# Altium PCB YA-S-PCB-V1.0.PcbDoc (continued)
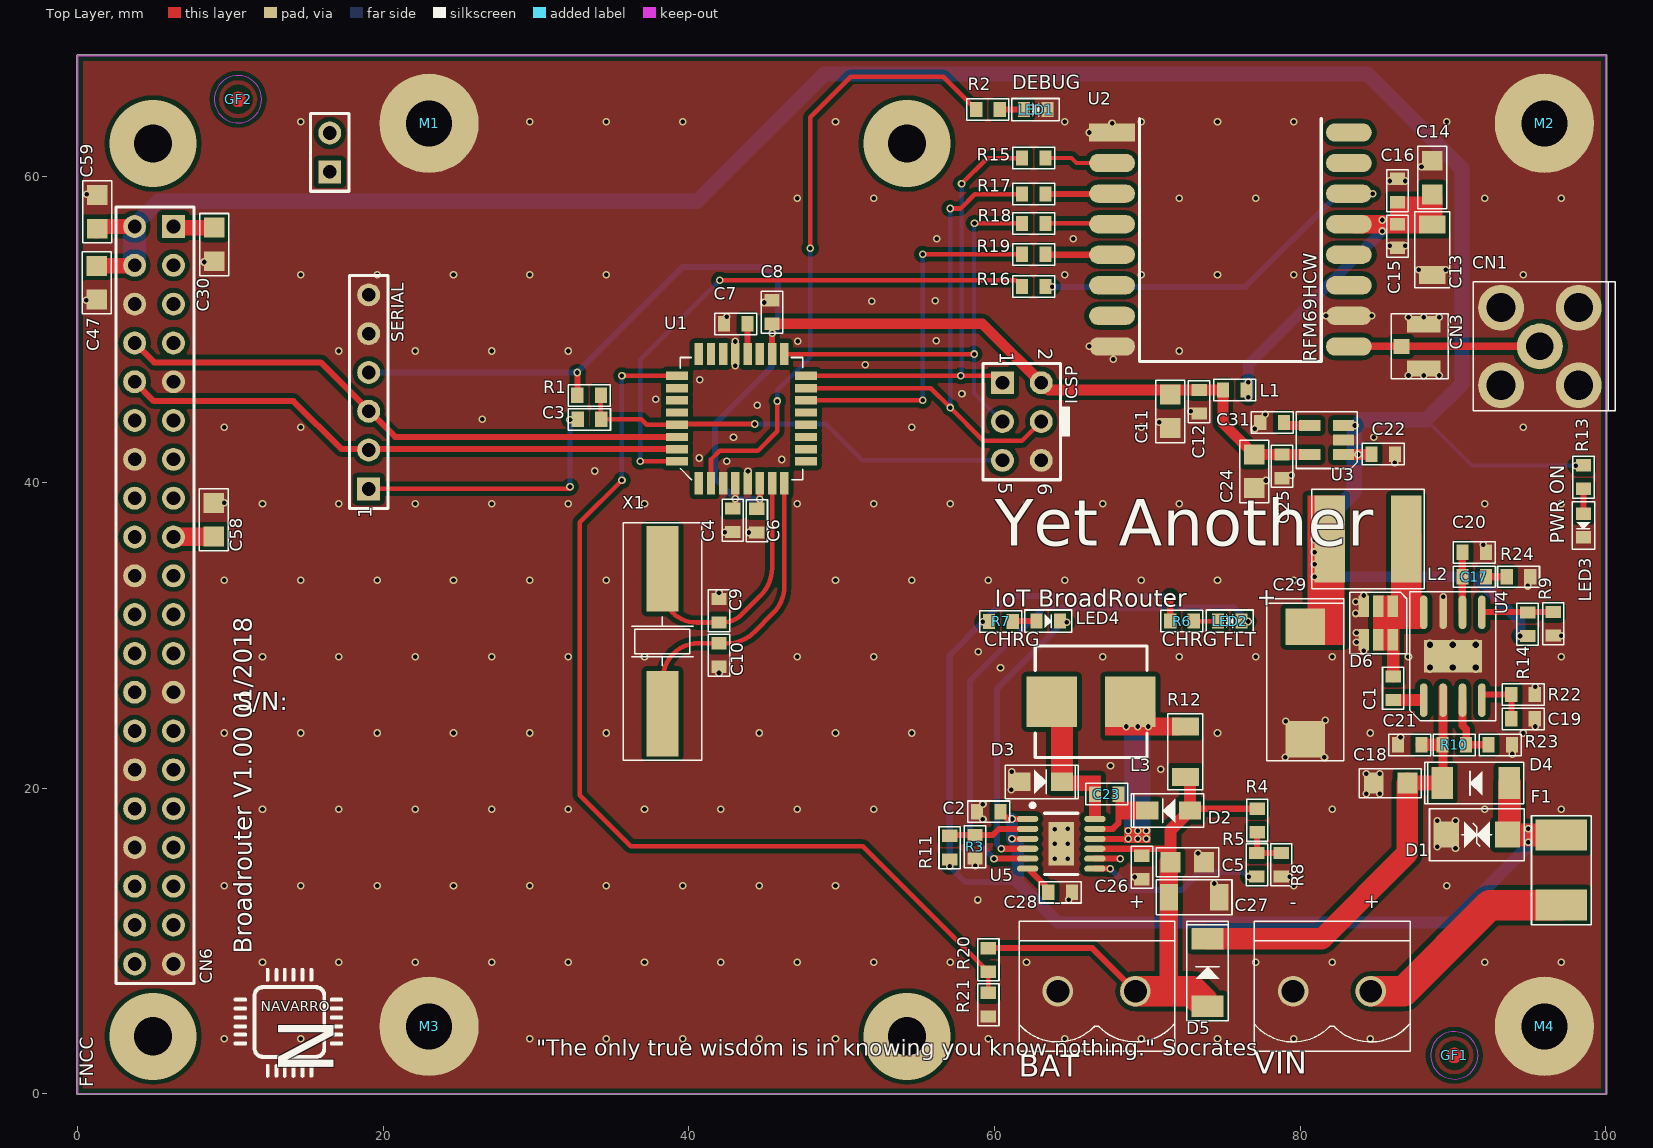
[diagram p0: Top Layer view]
## Part data (continued)
C17: library part "Cap 180pF 50V 0603 NP0", "Capacitor (Semiconductor SIM Model)", Supplier Part Number 1=1276-1255-1-ND, Tolerância=±5%, ChinesePrice=0,00360, Chinês=Local, ComponentLink1Description=Datasheet, ComponentLink1URL=D:\Tecnoclade\Datasheet\!DataMissing.pdf, Corrente=*A, Obs=NP0, Potência=*W, Supplier 1=Digi-Key, Tensão=50V
C19: library part "Cap 15nF 50V 0603 X7R", "Capacitor (Semiconductor SIM Model)", Supplier Part Number 1=445-5189-1-ND, Tolerância=±10%, ChinesePrice=0,00500, Chinês=Local, ComponentLink1Description=Datasheet, ComponentLink1URL=D:\Tecnoclade\Datasheet\!DataMissing.pdf, Corrente=*A, Obs=X7R, Potência=*W, Supplier 1=Digi-Key, Tensão=50V
C20: library part "Cap 10pF 50V 0603 NP0 5%", "Capacitor (Semiconductor SIM Model)", Supplier Part Number 1=445-1269-1-ND, Tolerância=±5%, ChinesePrice=0,00180, Chinês=Local, ComponentLink1Description=Datasheet, ComponentLink1URL=D:\Tecnoclade\Datasheet\!DataMissing.pdf, Corrente=*A, Obs=NP0, Potência=*W, Supplier 1=Digi-Key, Tensão=50V
C29: library part "PCap 220uF 6V3 2917 LOESR", "Polarized Capacitor", Supplier Part Number 1=1189-1687-1-ND, Tolerância=±20%, ChinesePrice=0,28500, Chinês=Local, ComponentLink1Description=Datasheet, ComponentLink1URL=D:\Tecnoclade\Datasheet\!DataMissing.pdf, Corrente="3.5A (Ripple)", Obs="LOESR (0R009)", Potência=*W, Supplier 1=Digi-Key, Tensão=6V3
C31: library part "Cap 10nF 50V 0603 X7R 5%", "Capacitor (Semiconductor SIM Model)", Supplier Part Number 1=399-1092-1-ND, Tolerância=±5%, ChinesePrice=0,00320, Chinês=Local, ComponentLink1Description=Datasheet, ComponentLink1URL=D:\Tecnoclade\Datasheet\!DataMissing.pdf, Corrente=*A, Obs=X7R, Potência=*W, Supplier 1=Digi-Key, Tensão=50V
CN1: "Conector SMA", Supplier Part Number 1=A97593-ND, ChinesePrice=0,00000, Chinês=----, ComponentLink1Description=Datasheet, ComponentLink1URL=D:\Tecnoclade\Datasheet\!DataMissing.pdf, Supplier 1=Digi-Key
CN3: library part "Conn UMCC TE", Supplier Part Number 1=A118077CT-ND, ChinesePrice=0,00000, Chinês=----, ComponentLink1Description=Datasheet, ComponentLink1URL=D:\Tecnoclade\Datasheet\!DataMissing.pdf, Supplier 1=Digi-Key
CN6: library part "RaspBerry Pi2", "Modulo RaspBerry Pi 2", Supplier Part Number 1=S6104-ND, ChinesePrice=0,00000, Chinês=----, ComponentLink1Description=Datasheet, ComponentLink1URL=D:\Tecnoclade\Datasheet\!DataMissing.pdf, Supplier 1=Digi-Key
CN7: library part "Conector Plug", Supplier Part Number 1=1690-1005-ND, ChinesePrice=35,00000, Chinês=Local, ComponentLink1Description=Datasheet, ComponentLink1URL=D:\Tecnoclade\Datasheet\!DataMissing.pdf, Supplier 1=Digi-Key
D1: library part "TVS 15V 5% SMA BI 400W", "Transient Voltage Supressor diode", Supplier Part Number 1=SMAJ15CABCT-ND, Tolerância=±5%, ChinesePrice=0,05900, Chinês=Local, ComponentLink1Description=Datasheet, ComponentLink1URL=D:\Tecnoclade\Datasheet\!DataMissing.pdf, Obs=Bidirecional, Potência=400W, Supplier 1=Digi-Key, Tensão=15V
D2 D3: library part "DS 20V 0.5A 385mV SOD-123", "Schottky Diode", Supplier Part Number 1=MBR0520L-TPMSCT-ND, ChinesePrice=0,00000, Chinês=----, ComponentLink1Description=Datasheet, ComponentLink1URL=D:\Tecnoclade\Datasheet\!DataMissing.pdf, Corrente=0.5A, Obs="Fast Recovery =< 500ns, > 200mA (Io)", Supplier 1=Digi-Key, Tensão=20V
D4 D5: library part "DS 30V 3A SOD-128", "Schottky Diode", Supplier Part Number 1=1727-5324-1-ND, ChinesePrice=0,16100, Chinês=Local, ComponentLink1Description=Datasheet, ComponentLink1URL=D:\Tecnoclade\Datasheet\!DataMissing.pdf, Corrente=3A, Obs="Fast Recovery =< 500ns, > 200mA (Io)", Supplier 1=Digi-Key, Tensão=30V
D6: "Power Shottky", Supplier Part Number 1=ZLLS2000CT-ND, ChinesePrice=0,33990, Chinês=Local, ComponentLink1Description=Datasheet, ComponentLink1URL=D:\Tecnoclade\Datasheet\!DataMissing.pdf, Corrente=2.2A, Supplier 1=Digi-Key, Tensão=40V
F1: library part "Res Varistor", "Varistor (Voltage-Sensitive Resistor)", Supplier Part Number 1=507-1501-1-ND, ChinesePrice=0,09500, Chinês=Local, ComponentLink1Description=Datasheet, ComponentLink1URL=D:\Tecnoclade\Datasheet\!DataMissing.pdf, Corrente=1.1A, Supplier 1=Digi-Key, Tensão=24V
GF1 GF2: "Guia Fiducial", Supplier Part Number 1=--Del, ChinesePrice=0,00000, Chinês=----, ComponentLink1Description=Datasheet, ComponentLink1URL=D:\Tecnoclade\Datasheet\, Supplier 1=Digi-Key
ICSP: "Header, 5-Pin, Dual row", Supplier Part Number 1=609-3724-ND, ChinesePrice=0,00000, Chinês=----, ComponentLink1Description=Datasheet, ComponentLink1URL=D:\Tecnoclade\Datasheet\!DataMissing.pdf, Obs="Barra dupla de 40 pinos - ATENÇÃO", Supplier 1=Digi-Key
L1: library part "Bd 1K@100MHz 0603 400mA", Supplier Part Number 1=445-1550-1-ND, Tolerância=±25%, ChinesePrice=0,00000, Chinês=-----, ComponentLink1Description=Datasheet, ComponentLink1URL=D:\Tecnoclade\Datasheet\!DataMissing.pdf, Corrente=400mA, Obs="Ferrite (0R5)", Substituição=27/06/2014, Supplier 1=Digi-Key
L2: library part "Ind 3uH 2424 3.6A", "Inductor", Supplier Part Number 1=587-2099-1-ND, Tolerância=±30%, ChinesePrice=0,00000, Chinês=----, ComponentLink1Description=Datasheet, ComponentLink1URL=D:\Tecnoclade\Datasheet\!DataMissing.pdf, Corrente=3.6A, Obs=(0R023)@100MHz, Supplier 1=Digi-Key
L3: library part "Ind 68uH 1.05A", "Inductor", Supplier Part Number 1=811-1181-1-ND, ChinesePrice=0,00000, Chinês=-----, ComponentLink1Description=Datasheet, ComponentLink1URL=http://www.murata-ps.com/data/magnetics/kmp_4600.pdf, Obs=Z=0R0251, Supplier 1=Digi-Key
LED1 LED3: library part "LED 0603 VD 2V 75mW", Supplier Part Number 1=160-1478-1-ND, ChinesePrice=0,02810, Chinês=Local, ComponentLink1Description=Datasheet, ComponentLink1URL=D:\Tecnoclade\Datasheet\!DataMissing.pdf, Corrente=20mA, Obs=35mcd@130º, Potência=75mW, Supplier 1=Digi-Key, Tensão=2V
LED2 LED4: Supplier Part Number 1=160-1479-1-ND, ChinesePrice=0,00000, Chinês=----, ComponentLink1Description=Datasheet, ComponentLink1URL=D:\Tecnoclade\Datasheet\!DataMissing.pdf, Supplier 1=Digi-Key
M1 M2 M3 M4: library part Parafuso, "Furo para parafuso", Supplier Part Number 1=--Del, ChinesePrice=0,00000, Chinês=----, ComponentLink1Description=Datasheet, ComponentLink1URL=D:\Tecnoclade\Datasheet\!DataMissing.pdf, Supplier 1=Digi-Key
R1 R6 R7: library part "Res 10K 1% 0603 1/10W", Supplier Part Number 1=P10.0KHCT-ND, Tolerância=±1%, ChinesePrice=0,00089, Chinês=Local, ComponentLink1Description=Datasheet, ComponentLink1URL=D:\Tecnoclade\Datasheet\!DataMissing.pdf, Corrente=*A, Potência=1/10W, Supplier 1=Digi-Key, Tensão=*V
R2 R13: library part "Res 1K 1% 0603 1/10W", Supplier Part Number 1=RMCF0603FT1K00CT-ND, Tolerância=±1%, ChinesePrice=0,00089, Chinês=Local, ComponentLink1Description=Datasheet, ComponentLink1URL=D:\Tecnoclade\Datasheet\!DataMissing.pdf, Corrente=*A, Potência=1/10W, Supplier 1=Digi-Key, Tensão=*V
R3 R4 R5 R8 R11 R20 R21: library part "Res - $Val $% $Footprint $Pot", Supplier Part Number 1=--Del, Tolerância=±*%, ChinesePrice=0,00000, Chinês=----, ComponentLink1Description=Datasheet, ComponentLink1URL=D:\Tecnoclade\Datasheet\!DataMissing.pdf, Corrente=*A, Potência=1/10W, Supplier 1=Digi-Key, Tensão=*V
R9: library part "Res 11K8 1% 0603 1/10W", Supplier Part Number 1=311-11.8KHRCT-ND, Tolerância=±1%, ChinesePrice=0,00089, Chinês=Local, ComponentLink1Description=Datasheet, ComponentLink1URL=D:\Tecnoclade\Datasheet\!DataMissing.pdf, Corrente=*A, Potência=1/10W, Supplier 1=Digi-Key, Tensão=*V
R10: library part "Res 150K 1% 0603 1/10W", Supplier Part Number 1=P150KHCT-ND, Tolerância=±1%, ChinesePrice=0,00089, Chinês=Local, ComponentLink1Description=Datasheet, ComponentLink1URL=D:\Tecnoclade\Datasheet\!DataMissing.pdf, Corrente=*A, Potência=1/10W, Supplier 1=Digi-Key, Tensão=*V
R12: library part "Res 0.22R 1% 1206 1/4W", Supplier Part Number 1=P.22RCT-ND, Tolerância=1%, ChinesePrice=0,00000, Chinês=----, ComponentLink1Description=Datasheet, ComponentLink1URL=http://industrial.panasonic.com/lecs/www-data/pdf/AOA0000/AOA0000CE3.pdf, Corrente=*A, Potência=1/4W, Supplier 1=Digi-Key, Tensão=*V
R14: library part "Res 62K 1% 0603 1/10W", Supplier Part Number 1=311-62.0KHRCT-ND, Tolerância=±1%, ChinesePrice=0,00089, Chinês=Local, ComponentLink1Description=Datasheet, ComponentLink1URL=D:\Tecnoclade\Datasheet\!DataMissing.pdf, Corrente=*A, Potência=1/10W, Supplier 1=Digi-Key, Tensão=*V
R15 R16 R17 R18 R19: library part "Res 560R 1% 0603 1/10w", Supplier Part Number 1=311-560HRCT-ND, Tolerância=±*%, ChinesePrice=0,00000, Chinês=----, ComponentLink1Description=Datasheet, ComponentLink1URL=D:\Tecnoclade\Datasheet\!DataMissing.pdf, Corrente=*A, Potência=1/10W, Supplier 1=Digi-Key, Tensão=*V
R22: library part "Res 1M 1% 0603 1/10W", Supplier Part Number 1=RMCF0603FT1M00CT-ND, Tolerância=±1%, ChinesePrice=0,00089, Chinês=Local, ComponentLink1Description=Datasheet, ComponentLink1URL=D:\Tecnoclade\Datasheet\!DataMissing.pdf, Corrente=*A, Obs=±100ppm/ºC, Potência=1/10W, Supplier 1=Digi-Key, Tensão=*V
R23: library part "Res 48K7 1% 0603 1/10W", Supplier Part Number 1=P48.7KHCT-ND, Tolerância=±1%, ChinesePrice=0,00089, Chinês=Local, ComponentLink1Description=Datasheet, ComponentLink1URL=D:\Tecnoclade\Datasheet\!DataMissing.pdf, Corrente=*A, Potência=1/10W, Supplier 1=Digi-Key, Tensão=*V
R24: library part "Res 75K 1% 0603 1/10W", Supplier Part Number 1=P75.0KHCT-ND, Tolerância=±1%, ChinesePrice=0,00100, Chinês=Local, ComponentLink1Description=Datasheet, ComponentLink1URL=D:\Tecnoclade\Datasheet\!DataMissing.pdf, Corrente=*A, Obs=±100ppm/ºC, Potência=1/10W, Supplier 1=Digi-Key, Tensão=*V
SERIAL: "Header, 6-Pin", Supplier Part Number 1=A26509-40-ND, ChinesePrice=0,10000, Chinês="Proved - Local", ComponentLink1Description=Datasheet, ComponentLink1URL=D:\Tecnoclade\Datasheet\!DataMissing.pdf, Supplier 1=Digi-Key
U1: "IC MCU 32KB FLASH 20MHZ 32TQFP", Supplier Part Number 1=ATMEGA328P-AN-ND, ChinesePrice=0,00000, Chinês=----, ComponentLink1Description=Datasheet, ComponentLink1URL=D:\Tecnoclade\Datasheet\, Supplier 1=Digi-Key
U2: "Memória", Supplier Part Number 1=--Del, ChinesePrice=4,34, Chinês=Local, ComponentLink1Description=Datasheet, ComponentLink1URL=D:\Tecnoclade\Datasheet\!DataMissing.pdf, Supplier 1=Digi-Key
U3: library part TPS79333, "ULTRALOW-NOISE, HIGH PSRR, FAST RF 200mA LOW-DROPOUT LINEAR  REGULATORS I", Supplier Part Number 1=296-12961-1-ND, ChinesePrice=0,00000, Chinês=----, ComponentLink1Description=Datasheet, ComponentLink1URL=D:\Tecnoclade\Datasheet\, Corrente=200mA, Supplier 1=Digi-Key, Tensão=3V3
U4: "DC/DC Converter Step-Down 3.5A 28V", Supplier Part Number 1=296-24141-5-ND, ChinesePrice=0,87200, Chinês=TI, ComponentLink1Description=Datasheet, ComponentLink1URL=D:\Tecnoclade\Datasheet\!DataMissing.pdf, Corrente=3.5A, Supplier 1=Digi-Key
U5: "Power Tracking 2A Battery  Charger for Solar Power", Supplier Part Number 1=LT3652EMSE#PBF-ND, ChinesePrice=0,00000, Chinês=----, ComponentLink1Description=Datasheet, ComponentLink1URL=http://www.linear.com/docs/28522, Supplier 1=Digi-Key
X1: library part XTAL, "Crystal Oscillator", Supplier Part Number 1=535-10226-1-ND, ChinesePrice=0,00000, Chinês=----, Supplier 1=Digi-Key

## Via types
v1: diameter 0.5, hole 0.3, Top Layer to Bottom Layer, tented both sides, 298 vias
v2: diameter 0.5, hole 0.3, Top Layer to Bottom Layer, 6 vias
v3: diameter 0.7, hole 0.4, Top Layer to Bottom Layer, tented both sides, 5 vias
v4: diameter 5.7, hole 2.5, Top Layer to Bottom Layer, tented both sides, 4 vias

## Nets (pads, with @x,y where several pads share a name; then routed paths per layer and width w, separated by ;. In a path a pad name is that pad's centre, name@x,y a point inside that pad or via, vN(x,y) a via of type N, cw(c..) or ccw(c..) an arc to the next point about the centre after c; other vN are vias at no path point)
3V3: C4.2 C6.2 C8.2 C11.2 C12.2 C24.2 C25.2 ICSP.2 L1.1 R1.2 SERIAL.4 U1.4 U1.6 U1.18 U3.5 | length 94.7
  Top Layer w0.4: R1.2 v1(32.705,47.195) ; C4.2@43.05,38.47 U1.4 ; C6.2@44.65,38.32 U1.6 ; U1.18 C8.2
  Top Layer w0.7: C8.2 59.21,50.38 63.54,46.05 L1.1 74.955,43.87 C24.2 U3.5
  Bottom Layer w0.4: SERIAL.4 32.695,47.195 39.6,54.1 44.925,54.1 45.825,53.2 45.825,50.15 v1(45.45,49.775) 45.45,47.575 41.725,43.85 41.725,40.25 v1(43.05,38.925) v1@44.65,38.925
  other v1: 44.65,38.9
3V3RF: C13.2 C14.2 C15.2 C16.2 L1.2 U2.13 | length 15.1
  Bottom Layer w0.7: v1@76.625,45.65 76.625,47.7 v1(85.375,56.45) v1(85.375,57.175)
  other v1: 76.625,45.575 76.625,46.55
3V3RP: C30.2 C58.2 CN6.1 CN6.17 | length 5.2
  Top Layer w1: CN6.1@6.347,56.675 C30.2
  Top Layer w1.2: CN6.17 6.294,36.45 C58.2
5V: C22.2 C29.1 C47.2 C59.2 CN6.2 CN6.4 L2.2 R13.2 R14.2 U3.1 U3.3 | length 162.4
  Top Layer w0.7: U3.1 C22.2@84.655,41.825
  Top Layer w1: C47.2 CN6.4@3.699,54.175 ; C59.2@1.25,56.475 1.524,56.749 CN6.2@3.185,56.749
  Bottom Layer w0.254: 88.252,44.102 91.254,41.1 v1(98.05,41.1)
  Bottom Layer w0.7: v1(80.95,33.825) 91.45,33.825 94.4,30.875 v1(94.4,29.95)
  Bottom Layer w1: CN6.2 3.733,56.84 5.293,58.4 40.55,58.4 48.875,66.725 84.4,66.725 90.6,60.525 90.6,46.45 88.252,44.102 84.077,44.102 83.556,43.581 83.556,39.406 81.208,37.058 v1(80.95,37.058) v1(80.95,36.25) v1(80.95,35.442) v1(80.95,34.633) v1(80.95,33.825)
  Bottom Layer w1.5: CN6.4 CN6.2
  other v1: 83.8,41.825 83.6,43.725
/CHRG: LED4.2 U5.4 | length 18.7
  Top Layer w0.4: v1(60.45,16.025) U5.4
  Bottom Layer w0.4: v1(60.45,16.025) 60.175,16.3 60.175,26.525 64.5,30.85 v1@64.75,30.85
  other v1: 64.725,30.85
/FAULT: LED2.2 U5.5 | length 35
  Top Layer w0.4: v1(59.975,15.375) U5.5
  Bottom Layer w0.4: v1(59.975,15.375) 58.4,16.95 58.4,26.975 63.225,31.8 75.7,31.8 v1(76.6,30.9)
CS: R19.1 U1.14 | length 23.7
  Top Layer w0.3: U1.14 v1(55.3,45.375) ; v1(55.3,54.925) R19.1
  Bottom Layer w0.3: v1(55.3,45.375) v1(55.3,54.925)
CS2: U1.13
DIO0: R16.2 U1.32 | length 36.3
  Top Layer w0.3: v1(36.825,41.375) U1.32 ; v1(42.025,53.225) 61.405,53.225 R16.2
  Bottom Layer w0.3: v1(36.825,41.375) 36.825,48.025 v1(42.025,53.225)
DONE: U1.12
GND: BAT.1 C2.1 C4.1 C5.1 C6.1 C7.1 C8.1 C9.1 C10.1 C11.1 C12.1 C13.1 C14.1 C15.1 C16.1 C18.1 C19.1 C20.1 C21.1 C22.1 C24.1 C25.1 C26.1 C27.1 C28.1 C29.2 C30.1 C31.1 C47.1 C58.1 C59.1 CN1.2 CN1.3 CN1.4 CN1.5 CN3.2 CN6.6 CN6.9 CN6.14 CN6.20 CN6.25 CN6.30 CN6.34 CN6.39 D1.1 D3.1 D6.3 D6.4 ICSP.6 LED1.2 LED3.2 M1.X M2.X M3.X M4.X R3.1 R8.1 R9.1 R21.1 R22.1 R23.1 R24.1 SERIAL.5 SERIAL.6 U1.3 U1.5 U1.21 U2.1 U2.8 U2.10 U3.2 U4.7 U4.9 U5.13 VIN.1
  other v1: 9.6,3.6 14.6,3.6 29.6,3.6 34.6,3.6 39.6,3.6 44.6,3.6 49.6,3.6 59.6,3.6 64.6,3.6 69.6,3.6 74.6,3.6 79.6,3.6 84.6,3.6 12.1,8.6 17.1,8.6 22.1,8.6 27.1,8.6 32.1,8.6 37.1,8.6 42.1,8.6 47.1,8.6 52.1,8.6 57.1,8.6 62.1,8.6 77.1,8.6 82.1,8.6 92.1,8.6 97.1,8.6 58.9,12.675 64.875,12.7 9.6,13.6 14.6,13.6 19.6,13.6 24.6,13.6 29.6,13.6 34.6,13.6 39.6,13.6 44.6,13.6 49.6,13.6 79.6,13.6 89.6,13.6 74.375,13.75 69.175,14.175 79.325,14.2 58.75,14.925 73.325,15.725 90.175,16.05 88.975,16.15 88.975,17.85 90.175,17.85 59.25,17.95 12.1,18.6 17.1,18.6 22.1,18.6 27.1,18.6 32.1,18.6 37.1,18.6 42.1,18.6 47.1,18.6 52.1,18.6 82.1,18.6 92.1,18.6 97.1,18.6 59.25,18.95 84.325,19.625 85.225,19.625 61.1,19.875 84.325,20.925 85.225,20.925 61.125,21.075 70.875,21.225 67.6,21.45 79.025,22.025 81.6,22 93.9,22.225 86.575,23.325 9.6,23.6 14.6,23.6 19.6,23.6 24.6,23.6 29.6,23.6 34.6,23.6 44.6,23.6 49.6,23.6 54.6,23.6 74.6,23.6 84.6,23.6 94.6,23.6 95.4,24.025 79.075,24.375 81.65,24.425 95.4,26.625 41.975,27.525 60.4,27.875 12.1,28.6 17.1,28.6 22.1,28.6 27.1,28.6 32.1,28.6 37.1,28.6 47.1,28.6 52.1,28.6 67.1,28.6 72.1,28.6 77.1,28.6 82.1,28.6 87.1,28.6 97.1,28.6 58.95,28.925 84.175,28.975 83.7,29.55 97.1,29.975 83.7,30.15 83.65,31.425 83.65,32.2 89.375,32.525 84.175,32.6 41.975,32.775 94.9,33.225 9.6,33.6 14.6,33.6 19.6,33.6 24.6,33.6 29.6,33.6 34.6,33.6 49.6,33.6 54.6,33.6 59.6,33.6 64.6,33.6 69.6,33.6 74.6,33.6 79.6,33.6 92,35.925 43.925,36.725 42.35,36.75 12.1,38.6 17.1,38.6 22.1,38.6 27.1,38.6 32.1,38.6 37.1,38.6 47.1,38.6 52.1,38.6 57.1,38.6 62.1,38.6 67.1,38.6 72.1,38.6 92.1,38.6 97.1,38.6 9.6,38.675 77.775,40.125 79.425,40.475 43.875,40.725 33.85,40.75 86.2,41.3 42.475,41.375 46.075,41.5 40.675,41.6 42.925,42.95 84.825,42.95 77.025,43.5 9.6,43.6 14.6,43.6 54.6,43.6 64.6,43.6 69.6,43.6 94.6,43.6 70.8,43.95 26.475,44.125 77.725,44.45 72.85,44.65 44.475,45.05 37.825,45.45 57.875,45.8 40.725,46.725 87.1,47 88.1,47 89.1,47 43.05,47.625 51.55,47.7 67.775,48.05 17.1,48.6 22.1,48.6 27.1,48.6 32.1,48.6 72.1,48.6 66.2,48.9 43.05,49.225 47.125,49.25 56.2,49.275 87.1,50.8 88.1,50.8 89.1,50.8 42.475,50.85 81.7,50.9 84.7,50.9 44.925,51.775 51.975,51.85 56.125,51.9 0.575,51.925 14.6,53.6 19.6,53.6 24.6,53.6 29.6,53.6 34.6,53.6 64.6,53.6 69.6,53.6 74.6,53.6 79.6,53.6 94.6,53.6 87.775,53.925 89.525,53.925 8.275,54.425 85.875,55.5 86.875,55.5 56.225,55.95 65.15,55.95 47.1,58.6 52.1,58.6 72.1,58.6 77.1,58.6 92.1,58.6 97.1,58.6 0.6,58.85 85.875,59.725 86.875,59.725 87.95,60.65 66.2,62.9 67.7,63.5 14.6,63.6 29.6,63.6 34.6,63.6 39.6,63.6 49.6,63.6 64.6,63.6 69.6,63.6 74.6,63.6 79.6,63.6 89.6,63.6
  other v2: 63.958,15.375 64.811,15.375 63.958,16.35 64.811,16.35 63.958,17.313 64.811,17.33
  other v3: 88.5,27.875 91.5,27.875 88.5,29.375 90,29.375 91.5,29.375
LED: R2.2 U1.2 | length 41
  Top Layer w0.3: U1.2 41.45,41.5 42.025,42.075 44.525,42.075 45.8,43.35 v1(45.8,45.325) ; v1(47.95,55.325) 47.95,63.9 50.6,66.55 56.655,66.55 R2.2
  Bottom Layer w0.3: v1(45.8,45.325) 45.8,46.025 47.95,48.175 v1(47.95,55.325)
MISO: ICSP.1 R15.1 U1.16 | length 30.3
  Top Layer w0.3: U1.16 v1@57.825,46.975 ; v1(57.8,46.975) 60.075,46.975 ICSP.1 ; v1(57.85,59.55) 59.525,61.225 R15.1
  Bottom Layer w0.3: v1(57.8,46.975) 57.85,47.025 v1(57.85,59.55)
MOSI: ICSP.4 R17.1 U1.15 | length 35.5
  Top Layer w0.3: U1.15 55.825,46.175 v1(57.1,44.9) 59.275,42.725 61.805,42.725 ICSP.4 ; v1(57.1,57.925) 57.8,57.925 58.725,58.85 61.78,58.85 R17.1
  Bottom Layer w0.3: v1(57.1,44.9) v1(57.1,57.925)
NetC1_1: C1.1 D6.1 D6.2 D6.5 D6.6 L2.1 U4.8 | length 4.9
  Top Layer w0.8: C1.1 D6.1@86.1,32.175
NetC1_2: C1.2 U4.1 | length 1.8
  Top Layer w0.8: C1.2 U4.1@87.9,25.755
NetC3_1: C3.1 SERIAL.1 | length 17.7
  Top Layer w0.3: SERIAL.1 v1@32.225,39.575
  Bottom Layer w0.3: v1@32.225,39.575 v1(32.225,44.1)
  other v1: 32.225,39.725
NetC7_2: C7.2 U1.20 | length 1.8
  Top Layer w0.4: U1.20@43.845,48.405 C7.2@43.845,50.225
NetC17_1: C17.1 R24.2 | length 1.4
  Top Layer w0.5: C17.1 R24.2
NetC17_2: C17.2 C20.2 U4.6 | length 3.9
  Top Layer w0.5: U4.6@90.63,31.505 C17.2 C20.2
NetC18_2: C18.2 C21.2 D4.2 D5.2 R10.2 U4.2 | length 29.9
  Top Layer w0.5: D4.2 D4.2@89.365,20.39
  Top Layer w0.6: D4.2@89.365,20.39 U4.2@89.365,26.55
  Top Layer w0.8: C21.2 R10.2
  Top Layer w1: C18.2 D4.2
  Top Layer w1.4: D5.2 81.425,10.125 87.025,15.725 C18.2
NetC19_2: C19.2 R22.2 U4.4 | length 3.9
  Top Layer w0.4: U4.4 91.905,26.125 R22.2 C19.2
NetC23_1: C23.1 D2.2 U5.11 | length 3.6
  Top Layer w0.4: U5.11 67.75,17.325 68.12,17.695 C23.1
NetC23_2: C23.2 D3.2 L3.1 U5.12
NetC28_2: C28.2 U5.6 | length 1.9
  Top Layer w0.4: U5.6@62.325,14.605 C28.2@63.68,13.25
NetC31_2: C31.2 U3.4 | length 1.7
  Top Layer w0.6: C31.2@78.92,43.725 U3.4
NetCN1_1: CN1.1 CN3.1 U2.9 | length 12.7
  Top Layer w0.5: U2.9 CN1.1@95.9,48.9
NetF1_2: F1.2 VIN.2 | length 14.8
  Top Layer w2: VIN.2 86.786,6.7 92.425,12.339 F1.2
NetL3_2: L3.2 R12.1 U5.10 | length 3.4
  Top Layer w0.4: U5.10 v1(69.95,16.675)
  other v1: 68.75,16.675 69.375,16.675 68.75,17.2 69.375,17.2 69.95,17.2 68.625,24.025 69.375,24.025 70.075,24.025
NetLED1_1: LED1.1 R2.1 | length 1.6
  Top Layer w0.4: R2.1 LED1.1
NetLED2_1: LED2.1 R6.1 | length 1.6
  Top Layer w0.3: R6.1 LED2.1
NetLED3_1: LED3.1 R13.1 | length 1.6
  Top Layer w0.4: LED3.1 R13.1
NetLED4_1: LED4.1 R7.1 | length 1.5
  Top Layer w0.4: R7.1@61.22,30.925 LED4.1
NetR3_2: R3.2 R11.1 U5.2 | length 5.2
  Top Layer w0.4: R11.1@57.125,16.92 R3.2 59.895,16.92 60.3,17.325 U5.2
NetR4_1: R4.1 R5.1 R8.2 | length 2.9
  Top Layer w0.4: R4.1@77.175,17.08 R5.1 R8.2
NetR5_2: R5.2 U5.7 | length 11.8
  Top Layer w0.4: U5.7 v1(67.575,14.725) ; v1(76.645,14.205) R5.2
  Bottom Layer w0.4: v1(67.575,14.725) 67.575,14.714 68.964,13.325 72.25,13.325 73.425,14.5 76.35,14.5 v1(76.645,14.205)
NetR9_2: R9.2 R14.1 U4.5 | length 4.6
  Top Layer w0.4: U4.5@91.925,31.52 R9.2
NetR10_1: R10.1 R23.2 U4.3 | length 4.5
  Top Layer w0.5: U4.3 90.635,24.09 90.87,23.855 R10.1 R23.2
NetR15_2: R15.2 U2.2 | length 4.5
  Top Layer w0.254: R15.2 65.05,61.225 65.375,60.9 U2.2
NetR16_1: R16.1 U2.14 | length 23.5
  Bottom Layer w0.4: v1(63.775,52.8) 76.425,52.8 82.525,58.9 v1@84.7,58.9
  other v1: 84.75,58.9
NetR17_2: R17.2 U2.3 | length 4.3
  Top Layer w0.4: R17.2 U2.3@67.675,58.875
NetR18_2: R18.2 U2.4 | length 4.3
  Top Layer w0.3: R18.2 U2.4@67.65,56.95
NetR19_2: R19.2 U2.5 | length 4.2
  Top Layer w0.4: R19.2@63.545,54.9 U2.5
NTC: U5.8 | length 1.6
  Top Layer w0.4: U5.8 v1(68.225,15.375)
RST: C3.2 ICSP.5 R1.1 U1.29 | length 28.9
  Top Layer w0.3: C3.2@34.245,44.15 R1.1 ; C3.2 36.9,44.125 37.25,43.775 U1.29 39.275,43.825 v1(44.325,43.825)
  Bottom Layer w0.3: v1(44.325,43.825) 48.975,43.825 51.355,41.445 ICSP.5@60.475,41.445
RST_RPI: CN6.37
RX_RPI: CN6.10 SERIAL.2 U1.31 | length 37.3
  Top Layer w0.4: CN6.10 4.997,45.325 14.125,45.325 17.275,42.175 U1.31
SCK: ICSP.3 R18.1 U1.17 | length 29.2
  Top Layer w0.3: U1.17 v1(58.675,48.4) ; v1(58.7,56.95) R18.1
  Bottom Layer w0.254: v1@58.675,56.925 v1(58.675,48.4) 58.675,45.835 ICSP.3
SCL: U1.28
SDA: U1.27
TX_RPI: CN6.8 SERIAL.3 U1.30 | length 38
  Top Layer w0.4: CN6.8 5.012,47.85 15.9,47.85 20.775,42.975 U1.30
VBAT: BAT.2 C5.2 C26.2 C27.2 D2.1 D5.1 R4.2 R12.2 R20.2 U5.9 | length 38.7
  Top Layer w0.4: R20.2 66.41,9.52 BAT.2 ; U5.9@67.2,16.025 71.25,16.025 ; D2.1@72.92,18.645 R4.2
  Top Layer w0.8: C5.2@71.4,15.175 C5.2@71.525,15.3 ; C5.2 C5.2@71.525,15.3 ; R12.2 72.8,20.425 D2.1 71.525,17.25 C5.2@71.525,15.3
  Top Layer w1.2: 71.4,6.7 C5.2@71.4,15.175
  Top Layer w2: BAT.2 71.4,6.7 72.975,6.7 D5.1@73.625,6.05
VBAT_MON: R20.1 R21.2 U1.25 | length 65.1
  Top Layer w0.3: v1(35.625,40.15) 32.875,37.4 32.875,19.525 36.2,16.2 51.38,16.2 R20.1 R21.2 ; v1(35.625,46.975) U1.25
  Bottom Layer w0.3: v1(35.625,40.15) v1(35.625,46.975)
VIN: C2.2 D1.2 D4.1 F1.1 R6.2 R7.2 R11.2 U5.1 U5.3 | length 88.6
  Top Layer w0.4: v1(57.075,14.875) R11.2 ; C2.2 60.82,18.025 ; 60.87,17.975 v1(61.15,17.975) U5.1 ; v1(61.15,16.675) U5.3 ; R6.2 v1(71.505,32.555)
  Top Layer w1.5: D1.2@93.575,16.925 97.086,16.925 F1.1 ; D1.2@93.7,17.025 D4.1
  Bottom Layer w0.4: 61.525,13.85 58.1,13.85 v1(57.075,14.875) 57.075,28.7 v1(59.25,30.875) 60.93,32.555 v1(71.505,32.555)
  Bottom Layer w0.8: v1(61.15,17.975) v1(61.15,16.675) 61.525,16.3 61.525,13.85 64.175,11.2 89.95,11.2 94.95,16.2 v1(94.95,17.325)
  other v1: 94.95,16.45
X1: C9.2 U1.7 X1.1 | length 17.2
  Top Layer w0.3: X1.1 cw(c36.766,32.841) 38.9,32.841 38.9,31.5 ccw(c40.518,33.118) 40.518,30.83 C9.2 42.203,30.83 ccw(c42.203,32.585) 43.444,31.344 44.706,32.606 ccw(c42.91,34.402) 45.45,34.402 U1.7
X2: C10.2 U1.8 X1.2 | length 18.1
  Top Layer w0.3: X1.2@38.275,27.023 cw(c40.815,27.023) 39.019,28.819 39.025,28.825 cw(c40.582,27.268) 40.582,29.47 C10.2 42.513,29.47 ccw(c42.513,31.962) 44.275,30.2 45.506,31.431 ccw(c43.71,33.227) 46.25,33.227 U1.8
pads on no net: CN6.3 CN6.5 CN6.7 CN6.11 CN6.12 CN6.13 CN6.15 CN6.16 CN6.18 CN6.19 CN6.21 CN6.22 CN6.23 CN6.24 CN6.26 CN6.27 CN6.28 CN6.29 CN6.31 CN6.32 CN6.33 CN6.35 CN6.36 CN6.38 CN6.40 CN6.41 CN6.42 U1.1 U1.9 U1.10 U1.11 U1.19 U1.22 U1.23 U1.24 U1.26 U2.6 U2.7 U2.11 U2.12 U2.15 U2.16
copper on no net:
  other v4: 4.942,3.75 54.287,3.75 4.942,62.182 54.287,62.182

## Polygon pours and split planes (outlines as drawn)
GND on Bottom Layer "Top Layer-No Net" (solid, pour order 2): 0,67.933 100,67.933 100,0 0,0
GND on Top Layer "Top Layer-No Net" (solid, pour order 4): 0,0 100,0 100,67.933 0,67.933

## Keep-outs
Keep-Out Layer:
  lines w0.1: 60,0 100.025,0 100.025,67.933 0,67.933 0,0 100,0

## Other copper
Top Layer:
  rectangle net NetC1_1: 84.775,29 86.375,32.6
  rectangle net NetC1_1: 85.75,30.4 88.1,32.6
  rectangle net NetC1_1: 85.95,31.6 87.95,36.65
  rectangle net 5V: 80.5,29.35 82.925,39.15
  rectangle net 3V3RF: 85.875,56.5 89.325,58.725
  rectangle net 3V3RF: 83.5,56.3 87.825,57.5
  rectangle net NetC23_1: 68.1,17.925 69.425,19.125
  rectangle net NetL3_2: 68.475,16.4 70.225,17.45
  rectangle net NetC23_2: 66.175,18.025 66.975,20.825
  rectangle net NetL3_2: 67.25,23.425 70.55,25
  rectangle net NetL3_2: 69.925,23.425 72.1,24.625
  rectangle net NetC23_2: 63.7,20.425 65.15,24.4
  rectangle net NetC23_2: 64.55,19.8 66.975,20.825
Bottom Layer:
  rectangle net NetL3_2: 68.475,16.4 70.225,24.325

## Silkscreen, mask and mechanical layers (free items; w line width, h text height)
Top Overlay:
  drawing of 971 lines, arcs and shapes, not listed
  text "DEBUG" at 61.175,65.425 h1.55
  text "PWR ON" at 97.575,35.975 h1.55 r90
  text "Yet Another" at 60.025,34.825 h5.24
  text "IoT BroadRouter" at 60.025,31.463 h1.9
  text "CHRG" at 59.325,28.975 h1.55
  text "CHRG FLT" at 70.95,28.975 h1.55
  text "S/N:" at 10.45,24.7 h2
  text "Broadrouter V1.00 01/2018" at 11.8,9.15 h2 r90
  text "NAVARRO" at 11.985,5.157 h1.15
  text "N" at 11.923,4.979 h6.22 r270
  text "\"The only true wisdom is in knowing you know nothing.\" Socrates" at 30,2.125 h1.8
  text "FNCC" at 1.325,0.425 h1.5 r90

## Text inside footprints (layer, text, board x,y; h text height)
BAT: Top Overlay "+" at 68.784,11.801 h1.6; Top Overlay "-" at 63.918,11.778 h1.6
C29: Top Overlay "+" at 76.95,33.1 h2 r270
ICSP: Top Overlay "2" at 62.541,48.782 h1.6 r270; Top Overlay "1" at 60.017,48.557 h1.6 r270; Top Overlay "5" at 59.918,40.009 h1.6 r270; Top Overlay "6" at 62.522,39.954 h1.6 r270
SERIAL: Top Overlay "1" at 19.546,37.64 h1.5 r90
VIN: Top Overlay "+" at 84.184,11.801 h1.6; Top Overlay "-" at 79.318,11.778 h1.6